# Altium PCB RFC_MB.PcbDoc (part 30 of 37) (continued)
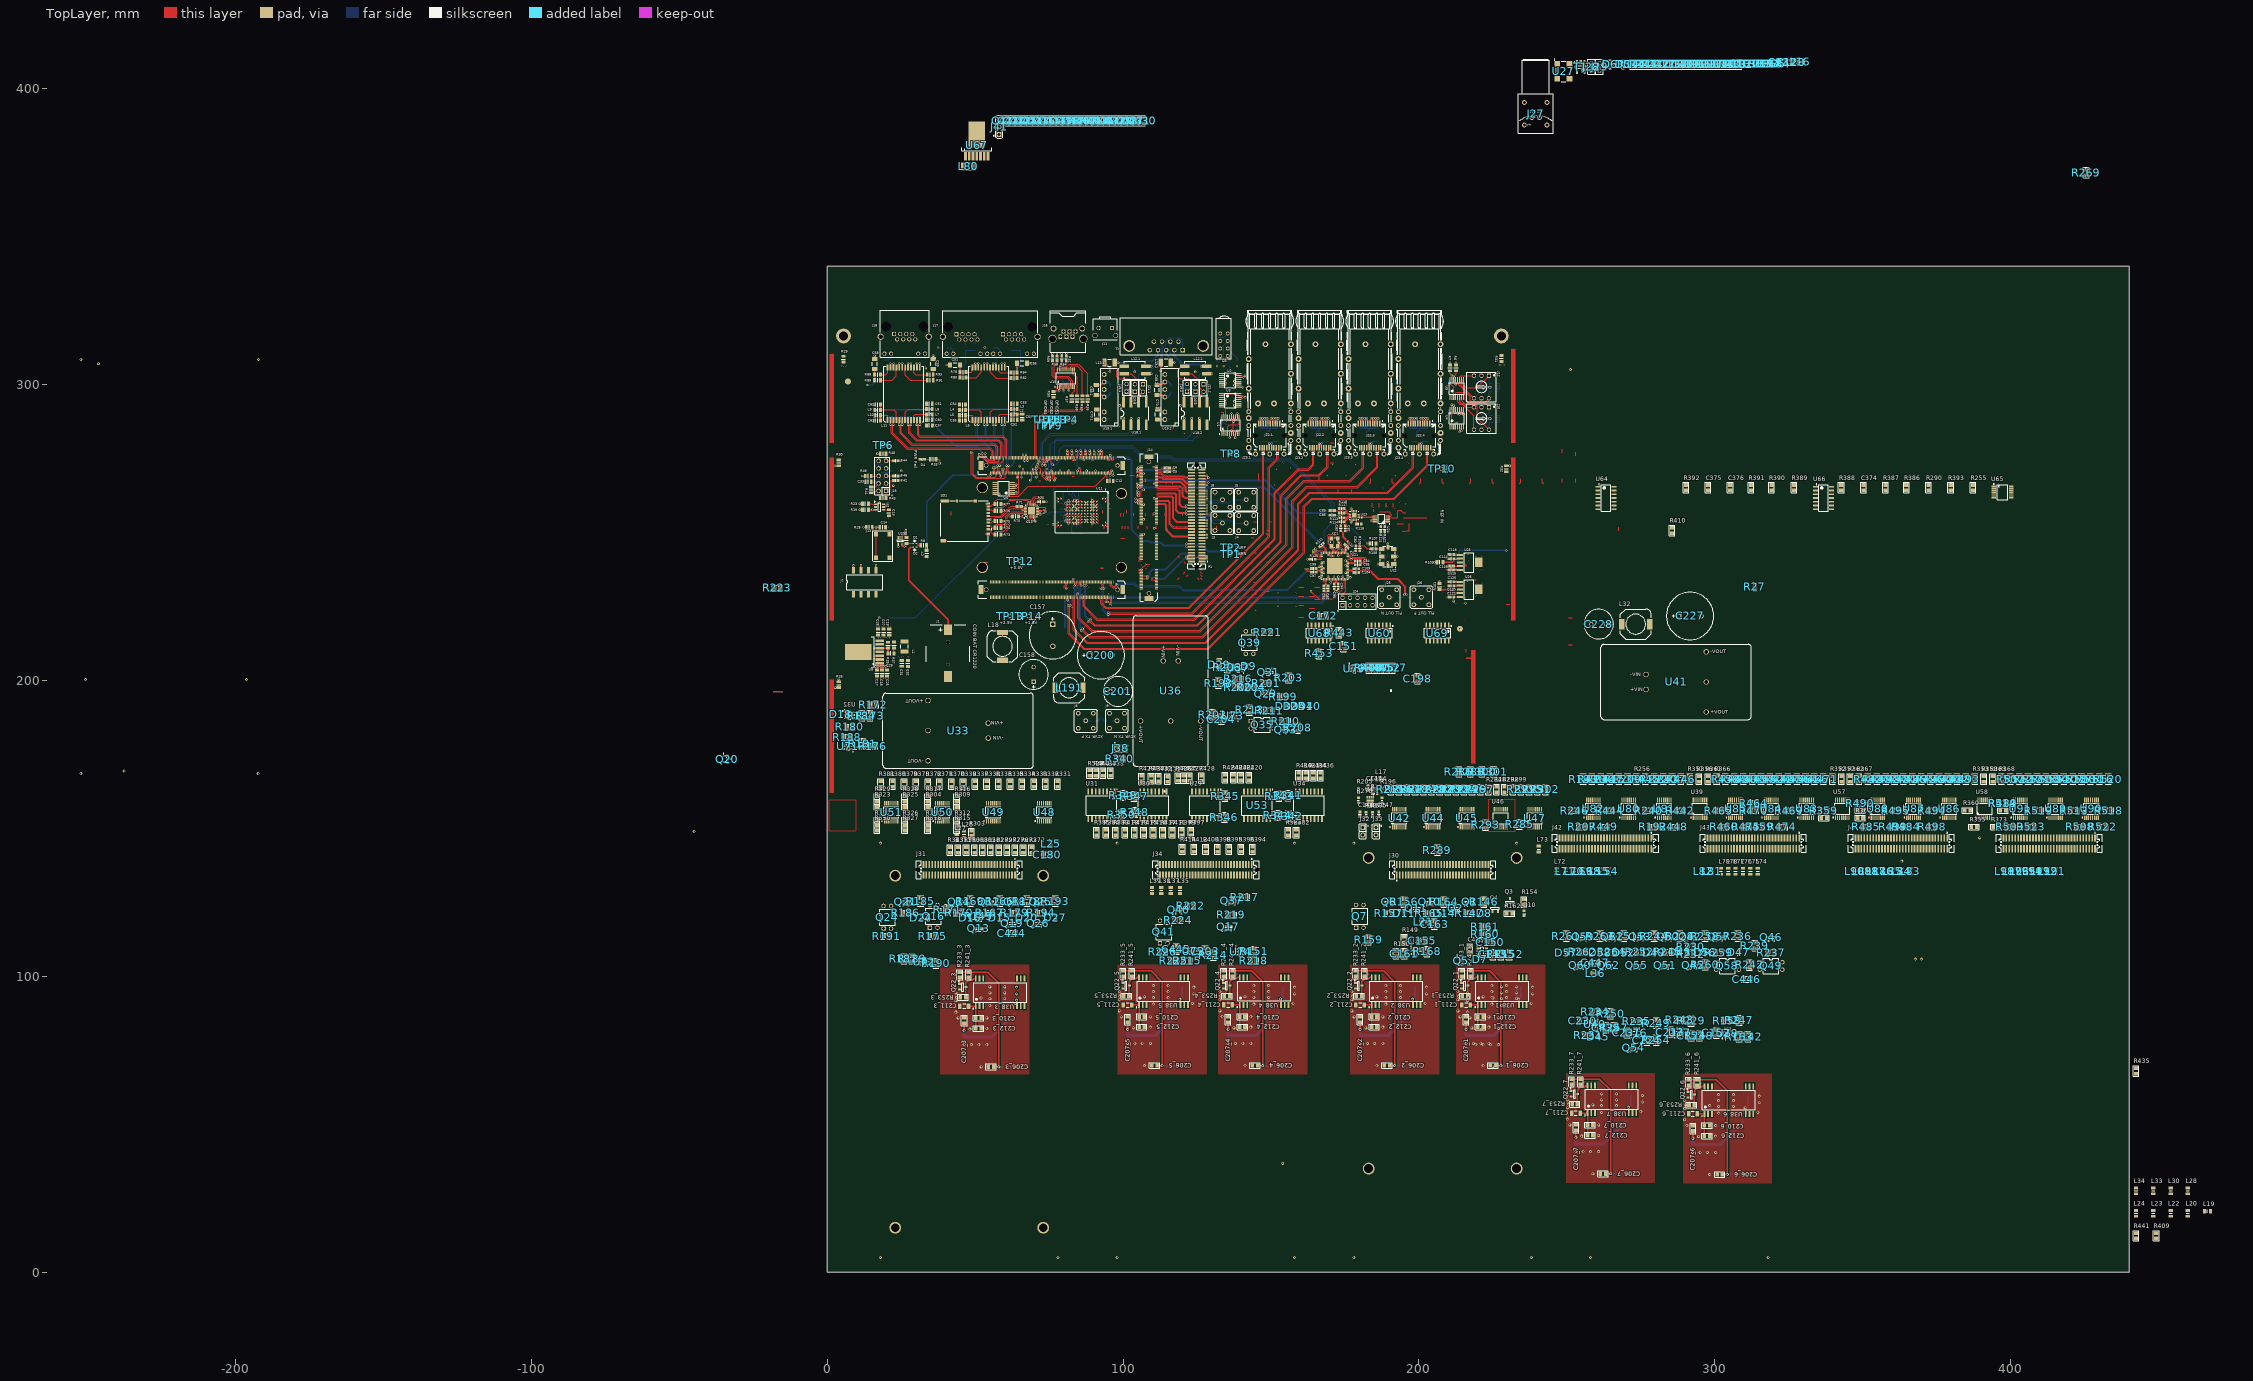
[diagram p0: TopLayer view]
## Design rules (kind name [scope] priority, off if disabled: settings) (continued)
DiffPairsRouting "Schematic Differential Pairs Routing_46" [InNet('SFP_TX_0.IO_N')] p2608: maxlimit=0.5 minlimit=0.075 mostfreqgap=0.254 toplayer_prefgap=0.175 toplayer_minwidth=0.075 toplayer_maxwidth=0.5 toplayer_prefwidth=0.25 midlayer3_maxgap=0.254 midlayer3_minwidth=0.075 midlayer3_maxwidth=0.5 midlayer3_prefwidth=0.25 midlayer4_maxgap=0.254 midlayer4_minwidth=0.075 midlayer4_maxwidth=0.5 midlayer4_prefwidth=0.25 bottomlayer_prefgap=0.175 bottomlayer_minwidth=0.075 bottomlayer_maxwidth=0.5 bottomlayer_prefwidth=0.25 maxuncoupledlength=12.7
DiffPairsRouting "Schematic Differential Pairs Routing_45" [InNet('SFP_TX_1.IO_P')] p2609: maxlimit=0.5 minlimit=0.075 mostfreqgap=0.254 toplayer_prefgap=0.175 toplayer_minwidth=0.075 toplayer_maxwidth=0.5 toplayer_prefwidth=0.25 midlayer3_maxgap=0.254 midlayer3_minwidth=0.075 midlayer3_maxwidth=0.5 midlayer3_prefwidth=0.25 midlayer4_maxgap=0.254 midlayer4_minwidth=0.075 midlayer4_maxwidth=0.5 midlayer4_prefwidth=0.25 bottomlayer_prefgap=0.175 bottomlayer_minwidth=0.075 bottomlayer_maxwidth=0.5 bottomlayer_prefwidth=0.25 maxuncoupledlength=12.7
DiffPairsRouting "Schematic Differential Pairs Routing_44" [InNet('SFP_TX_1.IO_N')] p2610: maxlimit=0.5 minlimit=0.075 mostfreqgap=0.254 toplayer_prefgap=0.175 toplayer_minwidth=0.075 toplayer_maxwidth=0.5 toplayer_prefwidth=0.25 midlayer3_maxgap=0.254 midlayer3_minwidth=0.075 midlayer3_maxwidth=0.5 midlayer3_prefwidth=0.25 midlayer4_maxgap=0.254 midlayer4_minwidth=0.075 midlayer4_maxwidth=0.5 midlayer4_prefwidth=0.25 bottomlayer_prefgap=0.175 bottomlayer_minwidth=0.075 bottomlayer_maxwidth=0.5 bottomlayer_prefwidth=0.25 maxuncoupledlength=12.7
DiffPairsRouting "Schematic Differential Pairs Routing_43" [InNet('SFP_TX_2.IO_P')] p2611: maxlimit=0.5 minlimit=0.075 mostfreqgap=0.254 toplayer_prefgap=0.175 toplayer_minwidth=0.075 toplayer_maxwidth=0.5 toplayer_prefwidth=0.25 midlayer3_maxgap=0.254 midlayer3_minwidth=0.075 midlayer3_maxwidth=0.5 midlayer3_prefwidth=0.25 midlayer4_maxgap=0.254 midlayer4_minwidth=0.075 midlayer4_maxwidth=0.5 midlayer4_prefwidth=0.25 bottomlayer_prefgap=0.175 bottomlayer_minwidth=0.075 bottomlayer_maxwidth=0.5 bottomlayer_prefwidth=0.25 maxuncoupledlength=12.7
DiffPairsRouting "Schematic Differential Pairs Routing_41" [InNet('SFP_TX_2.IO_N')] p2612: maxlimit=0.5 minlimit=0.075 mostfreqgap=0.254 toplayer_prefgap=0.175 toplayer_minwidth=0.075 toplayer_maxwidth=0.5 toplayer_prefwidth=0.25 midlayer3_maxgap=0.254 midlayer3_minwidth=0.075 midlayer3_maxwidth=0.5 midlayer3_prefwidth=0.25 midlayer4_maxgap=0.254 midlayer4_minwidth=0.075 midlayer4_maxwidth=0.5 midlayer4_prefwidth=0.25 bottomlayer_prefgap=0.175 bottomlayer_minwidth=0.075 bottomlayer_maxwidth=0.5 bottomlayer_prefwidth=0.25 maxuncoupledlength=12.7
DiffPairsRouting "Schematic Differential Pairs Routing_40" [InNet('SFP_TX_3.IO_P')] p2613: maxlimit=0.5 minlimit=0.075 mostfreqgap=0.254 toplayer_prefgap=0.175 toplayer_minwidth=0.075 toplayer_maxwidth=0.5 toplayer_prefwidth=0.25 midlayer3_maxgap=0.254 midlayer3_minwidth=0.075 midlayer3_maxwidth=0.5 midlayer3_prefwidth=0.25 midlayer4_maxgap=0.254 midlayer4_minwidth=0.075 midlayer4_maxwidth=0.5 midlayer4_prefwidth=0.25 bottomlayer_prefgap=0.175 bottomlayer_minwidth=0.075 bottomlayer_maxwidth=0.5 bottomlayer_prefwidth=0.25 maxuncoupledlength=12.7
DiffPairsRouting "Schematic Differential Pairs Routing_39" [InNet('SFP_TX_3.IO_N')] p2614: maxlimit=0.5 minlimit=0.075 mostfreqgap=0.254 toplayer_prefgap=0.175 toplayer_minwidth=0.075 toplayer_maxwidth=0.5 toplayer_prefwidth=0.25 midlayer3_maxgap=0.254 midlayer3_minwidth=0.075 midlayer3_maxwidth=0.5 midlayer3_prefwidth=0.25 midlayer4_maxgap=0.254 midlayer4_minwidth=0.075 midlayer4_maxwidth=0.5 midlayer4_prefwidth=0.25 bottomlayer_prefgap=0.175 bottomlayer_minwidth=0.075 bottomlayer_maxwidth=0.5 bottomlayer_prefwidth=0.25 maxuncoupledlength=12.7
DiffPairsRouting "Schematic Differential Pairs Routing_38" [InNet('SFP_RX_0.IO_N')] p2615: maxlimit=0.5 minlimit=0.075 mostfreqgap=0.254 toplayer_prefgap=0.175 toplayer_minwidth=0.075 toplayer_maxwidth=0.5 toplayer_prefwidth=0.25 midlayer3_maxgap=0.254 midlayer3_minwidth=0.075 midlayer3_maxwidth=0.5 midlayer3_prefwidth=0.25 midlayer4_maxgap=0.254 midlayer4_minwidth=0.075 midlayer4_maxwidth=0.5 midlayer4_prefwidth=0.25 bottomlayer_prefgap=0.175 bottomlayer_minwidth=0.075 bottomlayer_maxwidth=0.5 bottomlayer_prefwidth=0.25 maxuncoupledlength=12.7
DiffPairsRouting "Schematic Differential Pairs Routing_37" [InNet('SFP_RX_1.IO_N')] p2616: maxlimit=0.5 minlimit=0.075 mostfreqgap=0.254 toplayer_prefgap=0.175 toplayer_minwidth=0.075 toplayer_maxwidth=0.5 toplayer_prefwidth=0.25 midlayer3_maxgap=0.254 midlayer3_minwidth=0.075 midlayer3_maxwidth=0.5 midlayer3_prefwidth=0.25 midlayer4_maxgap=0.254 midlayer4_minwidth=0.075 midlayer4_maxwidth=0.5 midlayer4_prefwidth=0.25 bottomlayer_prefgap=0.175 bottomlayer_minwidth=0.075 bottomlayer_maxwidth=0.5 bottomlayer_prefwidth=0.25 maxuncoupledlength=12.7
DiffPairsRouting "Schematic Differential Pairs Routing_36" [InNet('SFP_RX_1.IO_P')] p2617: maxlimit=0.5 minlimit=0.075 mostfreqgap=0.254 toplayer_prefgap=0.175 toplayer_minwidth=0.075 toplayer_maxwidth=0.5 toplayer_prefwidth=0.25 midlayer3_maxgap=0.254 midlayer3_minwidth=0.075 midlayer3_maxwidth=0.5 midlayer3_prefwidth=0.25 midlayer4_maxgap=0.254 midlayer4_minwidth=0.075 midlayer4_maxwidth=0.5 midlayer4_prefwidth=0.25 bottomlayer_prefgap=0.175 bottomlayer_minwidth=0.075 bottomlayer_maxwidth=0.5 bottomlayer_prefwidth=0.25 maxuncoupledlength=12.7
DiffPairsRouting "Schematic Differential Pairs Routing_35" [InNet('SFP_RX_2.IO_N')] p2618: maxlimit=0.5 minlimit=0.075 mostfreqgap=0.254 toplayer_prefgap=0.175 toplayer_minwidth=0.075 toplayer_maxwidth=0.5 toplayer_prefwidth=0.25 midlayer3_maxgap=0.254 midlayer3_minwidth=0.075 midlayer3_maxwidth=0.5 midlayer3_prefwidth=0.25 midlayer4_maxgap=0.254 midlayer4_minwidth=0.075 midlayer4_maxwidth=0.5 midlayer4_prefwidth=0.25 bottomlayer_prefgap=0.175 bottomlayer_minwidth=0.075 bottomlayer_maxwidth=0.5 bottomlayer_prefwidth=0.25 maxuncoupledlength=12.7
DiffPairsRouting "Schematic Differential Pairs Routing_34" [InNet('SFP_RX_2.IO_P')] p2619: maxlimit=0.5 minlimit=0.075 mostfreqgap=0.254 toplayer_prefgap=0.175 toplayer_minwidth=0.075 toplayer_maxwidth=0.5 toplayer_prefwidth=0.25 midlayer3_maxgap=0.254 midlayer3_minwidth=0.075 midlayer3_maxwidth=0.5 midlayer3_prefwidth=0.25 midlayer4_maxgap=0.254 midlayer4_minwidth=0.075 midlayer4_maxwidth=0.5 midlayer4_prefwidth=0.25 bottomlayer_prefgap=0.175 bottomlayer_minwidth=0.075 bottomlayer_maxwidth=0.5 bottomlayer_prefwidth=0.25 maxuncoupledlength=12.7
DiffPairsRouting "Schematic Differential Pairs Routing_33" [InNet('SFP_RX_3.IO_N')] p2620: maxlimit=0.5 minlimit=0.075 mostfreqgap=0.254 toplayer_prefgap=0.175 toplayer_minwidth=0.075 toplayer_maxwidth=0.5 toplayer_prefwidth=0.25 midlayer3_maxgap=0.254 midlayer3_minwidth=0.075 midlayer3_maxwidth=0.5 midlayer3_prefwidth=0.25 midlayer4_maxgap=0.254 midlayer4_minwidth=0.075 midlayer4_maxwidth=0.5 midlayer4_prefwidth=0.25 bottomlayer_prefgap=0.175 bottomlayer_minwidth=0.075 bottomlayer_maxwidth=0.5 bottomlayer_prefwidth=0.25 maxuncoupledlength=12.7
DiffPairsRouting "Schematic Differential Pairs Routing_32" [InNet('SFP_RX_3.IO_P')] p2621: maxlimit=0.5 minlimit=0.075 mostfreqgap=0.254 toplayer_prefgap=0.175 toplayer_minwidth=0.075 toplayer_maxwidth=0.5 toplayer_prefwidth=0.25 midlayer3_maxgap=0.254 midlayer3_minwidth=0.075 midlayer3_maxwidth=0.5 midlayer3_prefwidth=0.25 midlayer4_maxgap=0.254 midlayer4_minwidth=0.075 midlayer4_maxwidth=0.5 midlayer4_prefwidth=0.25 bottomlayer_prefgap=0.175 bottomlayer_minwidth=0.075 bottomlayer_maxwidth=0.5 bottomlayer_prefwidth=0.25 maxuncoupledlength=12.7
DiffPairsRouting "Schematic Differential Pairs Routing_10" [InNet('FPLLIN_P')] p2622: maxlimit=0.5 minlimit=0.075 mostfreqgap=0.254 toplayer_prefgap=0.175 toplayer_minwidth=0.075 toplayer_maxwidth=0.5 toplayer_prefwidth=0.25 midlayer3_maxgap=0.254 midlayer3_minwidth=0.075 midlayer3_maxwidth=0.5 midlayer3_prefwidth=0.3 midlayer4_maxgap=0.254 midlayer4_minwidth=0.075 midlayer4_maxwidth=0.5 midlayer4_prefwidth=0.3 bottomlayer_prefgap=0.175 bottomlayer_minwidth=0.075 bottomlayer_maxwidth=0.5 bottomlayer_prefwidth=0.25 maxuncoupledlength=12.7
DiffPairsRouting "Schematic Differential Pairs Routing_5" [InNet('GTP_REF1.IO_N')] p2623: maxlimit=0.5 minlimit=0.075 mostfreqgap=0.4 toplayer_minwidth=0.075 toplayer_maxwidth=0.5 toplayer_prefwidth=0.3 midlayer3_maxgap=0.254 midlayer3_prefgap=0.254 midlayer3_minwidth=0.075 midlayer3_maxwidth=0.5 midlayer3_prefwidth=0.3 midlayer4_maxgap=0.254 midlayer4_prefgap=0.254 midlayer4_minwidth=0.075 midlayer4_maxwidth=0.5 midlayer4_prefwidth=0.3 bottomlayer_minwidth=0.075 bottomlayer_maxwidth=0.5 bottomlayer_prefwidth=0.3 maxuncoupledlength=12.7
DiffPairsRouting "Schematic Differential Pairs Routing_4" [InNet('GTP_REF1.IO_P')] p2624: maxlimit=0.5 minlimit=0.075 mostfreqgap=0.4 toplayer_minwidth=0.075 toplayer_maxwidth=0.5 toplayer_prefwidth=0.3 midlayer3_maxgap=0.254 midlayer3_prefgap=0.254 midlayer3_minwidth=0.075 midlayer3_maxwidth=0.5 midlayer3_prefwidth=0.3 midlayer4_maxgap=0.254 midlayer4_prefgap=0.254 midlayer4_minwidth=0.075 midlayer4_maxwidth=0.5 midlayer4_prefwidth=0.3 bottomlayer_minwidth=0.075 bottomlayer_maxwidth=0.5 bottomlayer_prefwidth=0.3 maxuncoupledlength=12.7
DiffPairsRouting "Schematic Differential Pairs Routing_3" [InNet('GTP_REF2.IO_N')] p2625: maxlimit=0.5 minlimit=0.075 mostfreqgap=0.4 toplayer_minwidth=0.075 toplayer_maxwidth=0.5 toplayer_prefwidth=0.3 midlayer3_maxgap=0.254 midlayer3_prefgap=0.254 midlayer3_minwidth=0.075 midlayer3_maxwidth=0.5 midlayer3_prefwidth=0.3 midlayer4_maxgap=0.254 midlayer4_prefgap=0.254 midlayer4_minwidth=0.075 midlayer4_maxwidth=0.5 midlayer4_prefwidth=0.3 bottomlayer_minwidth=0.075 bottomlayer_maxwidth=0.5 bottomlayer_prefwidth=0.3 maxuncoupledlength=12.7
DiffPairsRouting "Schematic Differential Pairs Routing_2" [InNet('GTP_REF2.IO_P')] p2626: maxlimit=0.5 minlimit=0.075 mostfreqgap=0.4 toplayer_minwidth=0.075 toplayer_maxwidth=0.5 toplayer_prefwidth=0.3 midlayer3_maxgap=0.254 midlayer3_prefgap=0.254 midlayer3_minwidth=0.075 midlayer3_maxwidth=0.5 midlayer3_prefwidth=0.3 midlayer4_maxgap=0.254 midlayer4_prefgap=0.254 midlayer4_minwidth=0.075 midlayer4_maxwidth=0.5 midlayer4_prefwidth=0.3 bottomlayer_minwidth=0.075 bottomlayer_maxwidth=0.5 bottomlayer_prefwidth=0.3 maxuncoupledlength=12.7
DiffPairsRouting "Schematic Differential Pairs Routing_93" [InNet('SFP_TX_0.IO_P')] p2627: maxlimit=0.5 minlimit=0.075 mostfreqgap=0.254 toplayer_prefgap=0.175 toplayer_minwidth=0.075 toplayer_maxwidth=0.5 toplayer_prefwidth=0.25 midlayer3_maxgap=0.254 midlayer3_minwidth=0.075 midlayer3_maxwidth=0.5 midlayer3_prefwidth=0.25 midlayer4_maxgap=0.254 midlayer4_minwidth=0.075 midlayer4_maxwidth=0.5 midlayer4_prefwidth=0.25 bottomlayer_prefgap=0.175 bottomlayer_minwidth=0.075 bottomlayer_maxwidth=0.5 bottomlayer_prefwidth=0.25 maxuncoupledlength=12.7
DiffPairsRouting "Schematic Differential Pairs Routing_71" [InNet('ETH0_J1_N')] p2628: maxlimit=0.254 minlimit=0.075 mostfreqgap=0.254 toplayer_minwidth=0.075 toplayer_maxwidth=0.5 toplayer_prefwidth=0.3 midlayer3_minwidth=0.075 midlayer3_maxwidth=0.5 midlayer3_prefwidth=0.3 midlayer4_minwidth=0.075 midlayer4_maxwidth=0.5 midlayer4_prefwidth=0.3 bottomlayer_minwidth=0.075 bottomlayer_maxwidth=0.5 bottomlayer_prefwidth=0.3 maxuncoupledlength=12.7
DiffPairsRouting "Schematic Differential Pairs Routing_70" [InNet('ETH0_J1_P')] p2629: maxlimit=0.254 minlimit=0.075 mostfreqgap=0.254 toplayer_minwidth=0.075 toplayer_maxwidth=0.5 toplayer_prefwidth=0.3 midlayer3_minwidth=0.075 midlayer3_maxwidth=0.5 midlayer3_prefwidth=0.3 midlayer4_minwidth=0.075 midlayer4_maxwidth=0.5 midlayer4_prefwidth=0.3 bottomlayer_minwidth=0.075 bottomlayer_maxwidth=0.5 bottomlayer_prefwidth=0.3 maxuncoupledlength=12.7
DiffPairsRouting "Schematic Differential Pairs Routing_69" [InNet('ETH0_J2_N')] p2630: maxlimit=0.254 minlimit=0.075 mostfreqgap=0.254 toplayer_minwidth=0.075 toplayer_maxwidth=0.5 toplayer_prefwidth=0.3 midlayer3_minwidth=0.075 midlayer3_maxwidth=0.5 midlayer3_prefwidth=0.3 midlayer4_minwidth=0.075 midlayer4_maxwidth=0.5 midlayer4_prefwidth=0.3 bottomlayer_minwidth=0.075 bottomlayer_maxwidth=0.5 bottomlayer_prefwidth=0.3 maxuncoupledlength=12.7
DiffPairsRouting "Schematic Differential Pairs Routing_68" [InNet('ETH0_J2_P')] p2631: maxlimit=0.254 minlimit=0.075 mostfreqgap=0.254 toplayer_minwidth=0.075 toplayer_maxwidth=0.5 toplayer_prefwidth=0.3 midlayer3_minwidth=0.075 midlayer3_maxwidth=0.5 midlayer3_prefwidth=0.3 midlayer4_minwidth=0.075 midlayer4_maxwidth=0.5 midlayer4_prefwidth=0.3 bottomlayer_minwidth=0.075 bottomlayer_maxwidth=0.5 bottomlayer_prefwidth=0.3 maxuncoupledlength=12.7
DiffPairsRouting "Schematic Differential Pairs Routing_67" [InNet('ETH0_J3_N')] p2632: maxlimit=0.254 minlimit=0.075 mostfreqgap=0.254 toplayer_minwidth=0.075 toplayer_maxwidth=0.5 toplayer_prefwidth=0.3 midlayer3_minwidth=0.075 midlayer3_maxwidth=0.5 midlayer3_prefwidth=0.3 midlayer4_minwidth=0.075 midlayer4_maxwidth=0.5 midlayer4_prefwidth=0.3 bottomlayer_minwidth=0.075 bottomlayer_maxwidth=0.5 bottomlayer_prefwidth=0.3 maxuncoupledlength=12.7
DiffPairsRouting "Schematic Differential Pairs Routing_66" [InNet('ETH0_J3_P')] p2633: maxlimit=0.254 minlimit=0.075 mostfreqgap=0.254 toplayer_minwidth=0.075 toplayer_maxwidth=0.5 toplayer_prefwidth=0.3 midlayer3_minwidth=0.075 midlayer3_maxwidth=0.5 midlayer3_prefwidth=0.3 midlayer4_minwidth=0.075 midlayer4_maxwidth=0.5 midlayer4_prefwidth=0.3 bottomlayer_minwidth=0.075 bottomlayer_maxwidth=0.5 bottomlayer_prefwidth=0.3 maxuncoupledlength=12.7
DiffPairsRouting "Schematic Differential Pairs Routing_65" [InNet('ETH0_J4_N')] p2634: maxlimit=0.254 minlimit=0.075 mostfreqgap=0.254 toplayer_minwidth=0.075 toplayer_maxwidth=0.5 toplayer_prefwidth=0.3 midlayer3_minwidth=0.075 midlayer3_maxwidth=0.5 midlayer3_prefwidth=0.3 midlayer4_minwidth=0.075 midlayer4_maxwidth=0.5 midlayer4_prefwidth=0.3 bottomlayer_minwidth=0.075 bottomlayer_maxwidth=0.5 bottomlayer_prefwidth=0.3 maxuncoupledlength=12.7
DiffPairsRouting "Schematic Differential Pairs Routing_64" [InNet('ETH0_J4_P')] p2635: maxlimit=0.254 minlimit=0.075 mostfreqgap=0.254 toplayer_minwidth=0.075 toplayer_maxwidth=0.5 toplayer_prefwidth=0.3 midlayer3_minwidth=0.075 midlayer3_maxwidth=0.5 midlayer3_prefwidth=0.3 midlayer4_minwidth=0.075 midlayer4_maxwidth=0.5 midlayer4_prefwidth=0.3 bottomlayer_minwidth=0.075 bottomlayer_maxwidth=0.5 bottomlayer_prefwidth=0.3 maxuncoupledlength=12.7
DiffPairsRouting "Schematic Differential Pairs Routing_42" [InNet('SFP_RX_0.IO_P')] p2636: maxlimit=0.5 minlimit=0.075 mostfreqgap=0.254 toplayer_prefgap=0.175 toplayer_minwidth=0.075 toplayer_maxwidth=0.5 toplayer_prefwidth=0.25 midlayer3_maxgap=0.254 midlayer3_minwidth=0.075 midlayer3_maxwidth=0.5 midlayer3_prefwidth=0.25 midlayer4_maxgap=0.254 midlayer4_minwidth=0.075 midlayer4_maxwidth=0.5 midlayer4_prefwidth=0.25 bottomlayer_prefgap=0.175 bottomlayer_minwidth=0.075 bottomlayer_maxwidth=0.5 bottomlayer_prefwidth=0.25 maxuncoupledlength=12.7
DiffPairsRouting "Schematic Differential Pairs Routing_7" [InNet('GTP_REF0.IO_N')] p2637: maxlimit=0.5 minlimit=0.075 mostfreqgap=0.4 toplayer_minwidth=0.075 toplayer_maxwidth=0.5 toplayer_prefwidth=0.3 midlayer3_maxgap=0.254 midlayer3_prefgap=0.254 midlayer3_minwidth=0.075 midlayer3_maxwidth=0.5 midlayer3_prefwidth=0.3 midlayer4_maxgap=0.254 midlayer4_prefgap=0.254 midlayer4_minwidth=0.075 midlayer4_maxwidth=0.5 midlayer4_prefwidth=0.3 bottomlayer_minwidth=0.075 bottomlayer_maxwidth=0.5 bottomlayer_prefwidth=0.3 maxuncoupledlength=12.7
DiffPairsRouting "Schematic Differential Pairs Routing_6" [InNet('GTP_REF0.IO_P')] p2638: maxlimit=0.5 minlimit=0.075 mostfreqgap=0.4 toplayer_minwidth=0.075 toplayer_maxwidth=0.5 toplayer_prefwidth=0.3 midlayer3_maxgap=0.254 midlayer3_prefgap=0.254 midlayer3_minwidth=0.075 midlayer3_maxwidth=0.5 midlayer3_prefwidth=0.3 midlayer4_maxgap=0.254 midlayer4_prefgap=0.254 midlayer4_minwidth=0.075 midlayer4_maxwidth=0.5 midlayer4_prefwidth=0.3 bottomlayer_minwidth=0.075 bottomlayer_maxwidth=0.5 bottomlayer_prefwidth=0.3 maxuncoupledlength=12.7
DiffPairsRouting "Schematic Differential Pairs Routing" [InNet('ZDO_P')] p2639: maxlimit=0.5 minlimit=0.075 mostfreqgap=0.254 toplayer_prefgap=0.175 toplayer_minwidth=0.075 toplayer_maxwidth=0.5 toplayer_prefwidth=0.15 midlayer3_maxgap=0.254 midlayer3_minwidth=0.075 midlayer3_maxwidth=0.5 midlayer3_prefwidth=0.3 midlayer4_maxgap=0.254 midlayer4_minwidth=0.075 midlayer4_maxwidth=0.5 midlayer4_prefwidth=0.3 bottomlayer_prefgap=0.175 bottomlayer_minwidth=0.075 bottomlayer_maxwidth=0.5 bottomlayer_prefwidth=0.15 maxuncoupledlength=12.7
DiffPairsRouting [All] p2640: maxlimit=0.5 minlimit=0.075 mostfreqgap=0.15 toplayer_minwidth=0.075 toplayer_maxwidth=0.5 toplayer_prefwidth=0.25 midlayer3_minwidth=0.075 midlayer3_maxwidth=0.5 midlayer3_prefwidth=0.25 midlayer4_minwidth=0.075 midlayer4_maxwidth=0.5 midlayer4_prefwidth=0.25 bottomlayer_minwidth=0.075 bottomlayer_maxwidth=0.5 bottomlayer_prefwidth=0.25 maxuncoupledlength=12.7
FabricationTestPointUsage TestPointUsage [All] p1: valid=0 allowmultiple=FALSE
FabricationTestpoint Testpoint [All] p1: side=3 testpointundercomponent=TRUE minsize=1.016 maxsize=2.54 preferedsize=1.524 minholesize=0.508 maxholesize=1.016 preferedholesize=0.813 testpointgrid=0.025 allowsidetop=TRUE allowsidebottom=TRUE usegrid=TRUE gridtolerance=0
HoleSize [All] p1: absolutevalues=TRUE maxlimit=70 minlimit=0.2 maxpercent=80.000 minpercent=20.000
MinimumSolderMaskSliver [All] p1: minsoldermaskwidth=0.1
NetAntennae NetAntennae_1 [InNetClass('EMMC_RFU')] p1: netantennaetolerance=4
NetAntennae [All] p2: netantennaetolerance=0
PlaneClearance PlaneClearance_1 [WithinRoom('U_fpga_cyc10lp')] p1: clearance=0.2
PlaneClearance [All] p2: clearance=0.25
PlaneConnect PlaneConnect_1 [isVia] p1: planeconnectstyle=Direct reliefexpansion=0.508 reliefentries=4 reliefconductorwidth=0.254 reliefairgap=0.254
PlaneConnect [All] p2: planeconnectstyle=Relief reliefexpansion=0.5 reliefentries=4 reliefconductorwidth=0.25 reliefairgap=0.15
PolygonConnect [isVia] p1: connectstyle=Direct reliefconductorwidth=0.2 reliefentries=4 polygonreliefangle="90 Angle" airgapwidth=0.254
PolygonConnect PolygonConnect_2 [InNet('GND') or InNet('CAN_GND')] p2: connectstyle=Relief reliefconductorwidth=0.25 reliefentries=4 polygonreliefangle="90 Angle" airgapwidth=0.25
PolygonConnect PolygonConnect_1 [All] p3: connectstyle=Relief reliefconductorwidth=0.25 reliefentries=4 polygonreliefangle="90 Angle" airgapwidth=0.15
RoomDefinition DCP_i- [InComponentClass('DCP_i-')] p1: confinementstyle=ConfineIn formatcopy=TRUE lockcomponents=FALSE outline 129.95,65.55 129.95,105.55 95.45,105.55 95.45,65.55
RoomDefinition DCP_i+ [InComponentClass('DCP_i+')] p2: confinementstyle=ConfineIn formatcopy=TRUE lockcomponents=FALSE outline 475.649,73.773 475.649,113.773 441.149,113.773 441.149,73.773
RoomDefinition DCP_H- [InComponentClass('DCP_H-')] p3: confinementstyle=ConfineIn formatcopy=TRUE lockcomponents=FALSE outline 72.15,65.15 72.15,105.15 36.95,105.15 36.95,65.15
RoomDefinition DCP_D+ [InComponentClass('DCP_D+')] p4: confinementstyle=ConfineIn formatcopy=TRUE lockcomponents=FALSE outline 244.4,65.15 244.4,105.15 209.9,105.15 209.9,65.15
RoomDefinition DCP_D- [InComponentClass('DCP_D-')] p5: confinementstyle=ConfineIn formatcopy=TRUE lockcomponents=FALSE outline 208.55,65.15 208.55,105.15 174.05,105.15 174.05,65.15
RoomDefinition S_DCDC [InComponentClass('S_DCDC')] p6: confinementstyle=ConfineIn formatcopy=TRUE lockcomponents=FALSE outline -295.55,-866.125 -244.75,-866.125 -244.75,-840.725 -295.55,-840.725
RoomDefinition RF_i [InComponentClass('RF_i')] p7: confinementstyle=ConfineIn formatcopy=TRUE lockcomponents=FALSE outline -295.55,-866.125 -244.75,-866.125 -244.75,-840.725 -295.55,-840.725
RoomDefinition RF_H [InComponentClass('RF_H')] p8: confinementstyle=ConfineIn formatcopy=TRUE lockcomponents=FALSE outline -295.55,-866.125 -244.75,-866.125 -244.75,-840.725 -295.55,-840.725
RoomDefinition H_DCDC [InComponentClass('H_DCDC')] p9: confinementstyle=ConfineIn formatcopy=TRUE lockcomponents=FALSE outline -295.55,-866.125 -244.75,-866.125 -244.75,-840.725 -295.55,-840.725
RoomDefinition DCP_S- [InComponentClass('DCP_S-')] p10: confinementstyle=ConfineIn formatcopy=TRUE lockcomponents=FALSE outline 281.5,29 281.5,69 247,69 247,29
RoomDefinition DCP_S+ [InComponentClass('DCP_S+')] p11: confinementstyle=ConfineIn formatcopy=TRUE lockcomponents=FALSE outline 321,28.75 321,68.75 286.5,68.75 286.5,28.75
RoomDefinition RF_S [InComponentClass('RF_S')] p12: confinementstyle=ConfineIn formatcopy=TRUE lockcomponents=FALSE outline 400.45,462.876 1188.451,462.876 1188.451,518.876 400.45,518.876
RoomDefinition RF_D [InComponentClass('RF_D')] p13: confinementstyle=ConfineIn formatcopy=TRUE lockcomponents=FALSE outline 413.002,374.098 940.002,374.098 940.002,459.098 413.002,459.098
RoomDefinition RF [InComponentClass('RF')] p14: confinementstyle=ConfineIn formatcopy=TRUE lockcomponents=FALSE outline 22.5,369.898 112.5,369.898 112.5,397 22.5,397
RoomDefinition i_DCDC [InComponentClass('i_DCDC')] p15: confinementstyle=ConfineIn formatcopy=TRUE lockcomponents=FALSE outline 464.73,254.81 934.73,254.81 934.73,338.81 464.73,338.81
RoomDefinition D_DCDC [InComponentClass('D_DCDC')] p16: confinementstyle=ConfineIn formatcopy=TRUE lockcomponents=FALSE outline -175.325,423.575 336.675,423.575 336.675,450.575 -175.325,450.575
RoomDefinition U_power_REG104GA_3V3 [InComponentClass('U_power_REG104GA_3V3')] p17: confinementstyle=ConfineIn formatcopy=TRUE lockcomponents=FALSE outline 208.475,244.725 222.05,244.725 222.05,254.05 208.475,254.05
RoomDefinition U_power_REG104GA_1V8 [InComponentClass('U_power_REG104GA_1V8')] p18: confinementstyle=ConfineIn formatcopy=TRUE lockcomponents=FALSE outline 208.523,236.75 222.05,236.75 222.05,244.725 208.523,244.725
RoomDefinition U_Si5395_CLK_GEN [InComponentClass('U_Si5395_CLK_GEN')] p19: confinementstyle=ConfineIn formatcopy=TRUE lockcomponents=FALSE outline 161.25,270.45 161.25,232.95 207.175,232.95 207.175,270.45
RoomDefinition U_SFPplusConn_3 [InComponentClass('U_SFPplusConn_3')] p20: confinementstyle=ConfineIn formatcopy=TRUE lockcomponents=FALSE outline 191.75,270.625 208.625,270.625 208.625,335.325 191.75,335.325
RoomDefinition U_SFPplusConn_2 [InComponentClass('U_SFPplusConn_2')] p21: confinementstyle=ConfineIn formatcopy=TRUE lockcomponents=FALSE outline 174.875,270.625 191.75,270.625 191.75,335.325 174.875,335.325
RoomDefinition U_SFPplusConn_1 [InComponentClass('U_SFPplusConn_1')] p22: confinementstyle=ConfineIn formatcopy=TRUE lockcomponents=FALSE outline 158,270.425 174.875,270.425 174.875,335.325 158,335.325
RoomDefinition U_SFPplusConn_0 [InComponentClass('U_SFPplusConn_0')] p23: confinementstyle=ConfineIn formatcopy=TRUE lockcomponents=FALSE outline 141.125,270.425 158,270.425 158,335.325 141.125,335.325
RoomDefinition U_Power_3V3_LDO [InComponentClass('U_Power_3V3_LDO')] p24: confinementstyle=ConfineIn formatcopy=TRUE lockcomponents=FALSE outline 27.925,255.1 27.925,259.475 23.175,259.475 23.175,255.1
RoomDefinition 3V3_POWER [InComponentClass('3V3_POWER')] p25: confinementstyle=ConfineIn formatcopy=TRUE lockcomponents=FALSE outline 3.585,210.31 29.91,210.31 29.91,233.075 3.585,233.075
RoomDefinition U_can_phy2 [InComponentClass('U_can_phy2')] p26: confinementstyle=ConfineIn formatcopy=TRUE lockcomponents=FALSE outline 109.55,292.325 130.025,292.325 130.025,319.475 109.55,319.475
RoomDefinition U_can_phy1 [InComponentClass('U_can_phy1')] p27: confinementstyle=ConfineIn formatcopy=TRUE lockcomponents=FALSE outline 89.075,292.325 109.55,292.325 109.55,319.475 89.075,319.475
RoomDefinition U_sdcard_emmc [InComponentClass('U_sdcard_emmc')] p28: confinementstyle=ConfineIn formatcopy=TRUE lockcomponents=FALSE outline 37.825,256.3 96.45,256.3 96.45,276.1 37.825,276.1
RoomDefinition U_uart_adm3222 [InComponentClass('U_uart_adm3222')] p29: confinementstyle=ConfineIn formatcopy=TRUE lockcomponents=FALSE outline 74.035,302.81 89.125,302.81 89.125,335.435 74.035,335.435
RoomDefinition U_ethernet_dual_100mbe_ext_magn [InComponentClass('U_ethernet_dual_100mbe_ext_magn')] p30: confinementstyle=ConfineIn formatcopy=TRUE lockcomponents=FALSE outline 37.21,294.435 72.985,294.435 72.985,336.41 37.21,336.41
RoomDefinition U_ethernet_1gbe_ext_magn [InComponentClass('U_ethernet_1gbe_ext_magn')] p31: confinementstyle=ConfineIn formatcopy=TRUE lockcomponents=FALSE outline 14.635,294.56 37.16,294.56 37.16,336.41 14.635,336.41
RoutingCorners [All] p1: cornerstyle=45-Degree minsetback=0.5 maxsetback=0.5
RoutingVias RoutingVias_2 [WithinRoom('U_fpga_cyc10lp')] p1: holewidth=0.2 width=0.4 viastyle="Through Hole" minholewidth=0.2 minwidth=0.4 maxholewidth=1 maxwidth=1.2
RoutingVias [All] p2 off: holewidth=0.711 width=1.27 viastyle="Through Hole" minholewidth=0.711 minwidth=1.27 maxholewidth=0.711 maxwidth=1.27
RoutingVias RoutingVias_1 [All] p3: holewidth=0.4 width=0.8 viastyle="Through Hole" minholewidth=0.1 minwidth=0.2 maxholewidth=70 maxwidth=100
SilkToSilkClearance [All] p1: silktosilkclearance=0
SilkToSolderMaskClearance SilkscreenOverComponentPads [IsPad] p1: minsilkscreentomaskgap=0.05 clearancetoexposedcopper=TRUE
SolderMaskExpansion [All] p1: expansion=0.05
Width Width_2 [WithinRoom('U_fpga_cyc10lp')] p1: maxlimit=1 minlimit=0.1 preferedwidth=0.1
Width [All] p2 off: maxlimit=0.254 minlimit=0.254 preferedwidth=0.254
Width Width_1 [All] p3: maxlimit=5 minlimit=0.15 preferedwidth=0.3
18 further rules are at their usual default settings.